# Altium PCB PROC010B_PCB.PcbDoc (part 4 of 6) (continued)
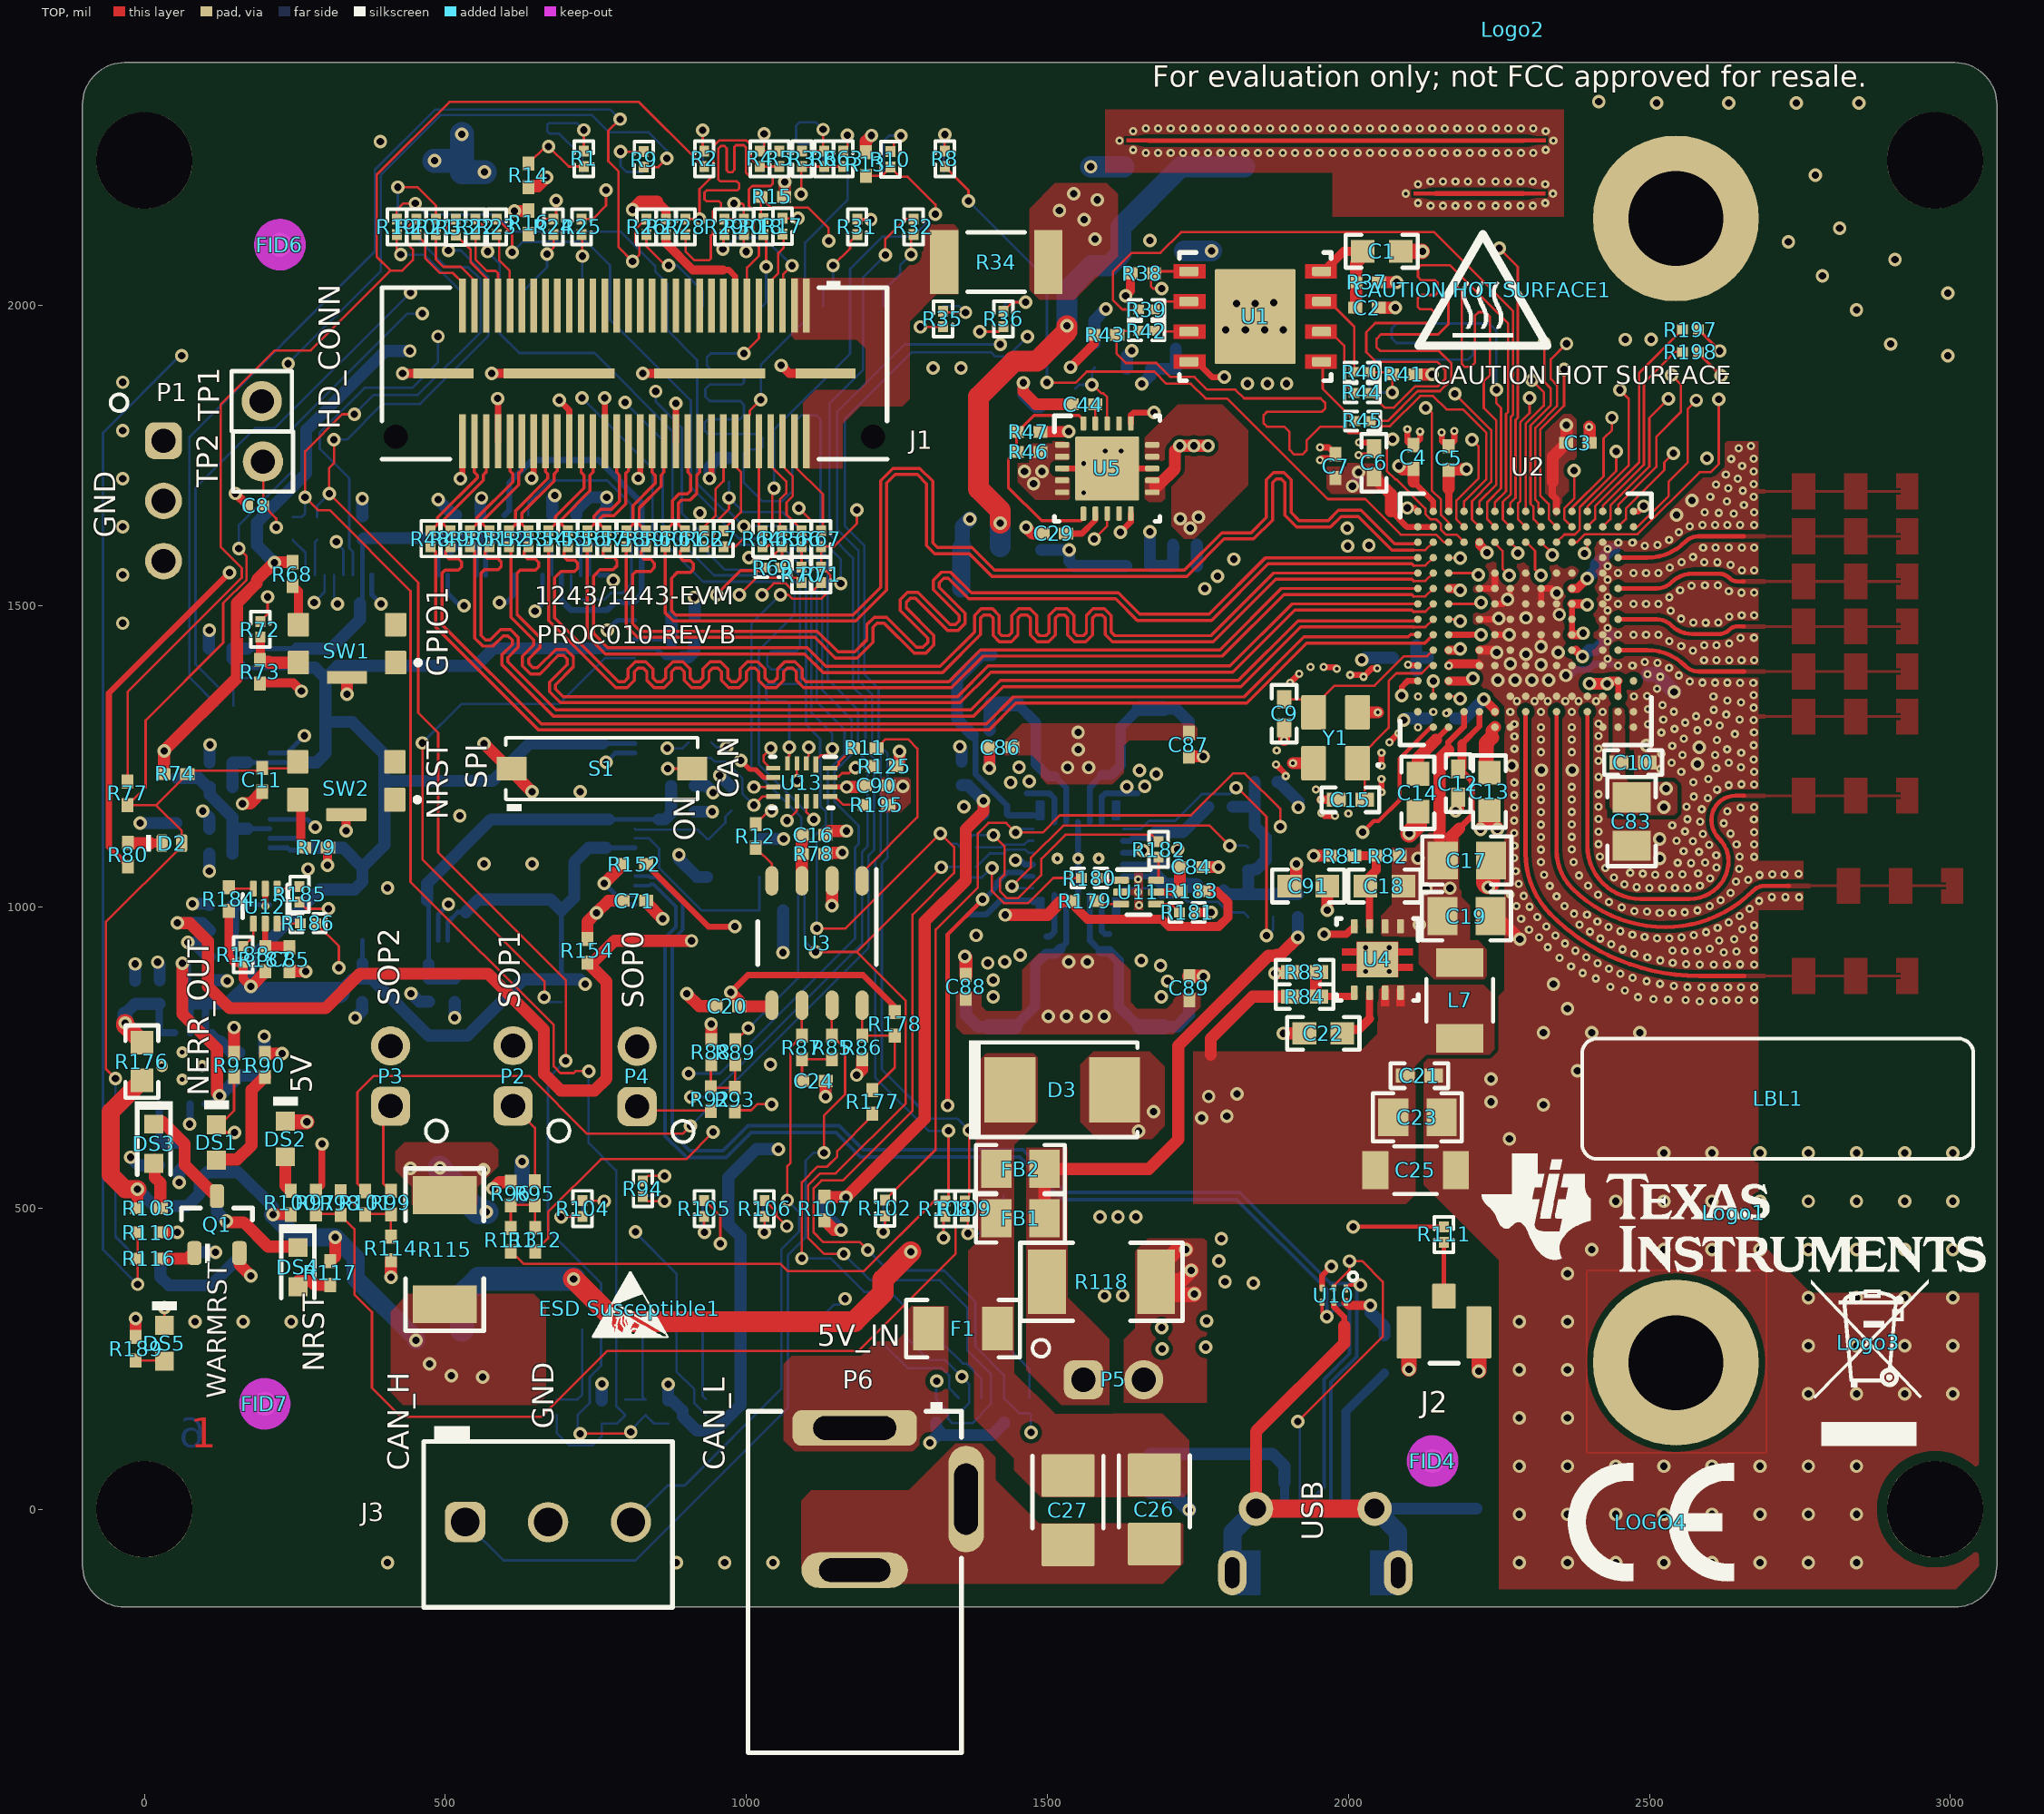
[diagram p0: TOP view]
## Nets (pads, with @x,y where several pads share a name; then routed paths per layer and width w, separated by ;. In a path a pad name is that pad's centre, name@x,y a point inside that pad or via, vN(x,y) a via of type N, cw(c..) or ccw(c..) an arc to the next point about the centre after c; other vN are vias at no path point) (continued)
  other v3: 62.83,713.68 29,736 96,736 62.83,758.96 1516.75,1080.5 1585.26,1080.5
  other v4: 2028.49,893.24 2067.86,893.24 2028.49,932.61 2067.86,932.61
  other v5: 1560.41,1688.18 1560.41,1736.5 1622.39,1757.57
  other v6: 1596.03,1757.57
HD_LVDS_VALID_N: J1.22 R60.1 | length 176
  TOP w5.2: R60.1@865.55,1624.71 877,1636.16 877,1675.03 888.17,1686.2 902.17,1686.2 907.37,1691.4 907.37,1717.31 902.63,1722.05 J1.22@902.63,1773.27
HD_LVDS_VALID_P: J1.20 R61.1 | length 175.7
  TOP w5.2: R61.1@897.75,1624.71 887.2,1635.26 887.2,1670.8 892.4,1676 906.4,1676 917.57,1687.17 917.57,1717.31 922.32,1722.06 J1.20@922.32,1773.27
HD_LVDSCSI0_N: J1.58 R48.1 | length 182.6
  TOP w5.2: R48.1@475.61,1624.71 486.83,1635.93 486.83,1646.76 553,1712.93 553,1717.35 548.3,1722.05 J1.58@548.3,1773.27
HD_LVDSCSI0_P: J1.56 R49.1 | length 182.6
  TOP w5.2: R49.1@508.25,1624.71 497.03,1635.93 497.03,1642.53 563.2,1708.7 563.2,1717.88 567.99,1722.67 J1.56@567.99,1773.27
HD_LVDSCSI1_N: J1.52 R50.1 | length 179.8
  TOP w5.2: R50.1@540.75,1624.71 551.9,1635.86 551.9,1645.84 611.8,1705.74 611.8,1719.71 607.36,1724.15 J1.52@607.36,1773.27
HD_LVDSCSI1_P: J1.50 R51.1 | length 180.1
  TOP w5.2: R51.1@573.25,1624.71 562.1,1635.86 562.1,1641.61 622,1701.51 622,1720.51 627.04,1725.55 J1.50@627.04,1773.27
HD_LVDSCSI2_N: J1.40 R54.1 | length 174.9
  TOP w5.2: R54.1@671.35,1624.71 683,1636.37 683,1648.5 730.21,1695.71 730.21,1717.31 725.47,1722.05 J1.40@725.47,1773.27
HD_LVDSCSI2_P: J1.38 R55.1 | length 174.5
  TOP w5.2: R55.1@703.85,1624.71 693.2,1635.36 693.2,1644.27 740.41,1691.48 740.41,1717.31 745.15,1722.05 J1.38@745.15,1773.27
HD_LVDSCSI3_N: J1.34 R56.1 | length 183.2
  TOP w5.2: R56.1@735.75,1624.71 746.8,1635.76 746.8,1649.32 757.98,1660.5 776,1660.5 789.26,1673.76 789.26,1717.31 784.52,1722.05 J1.34@784.52,1773.27
HD_LVDSCSI3_P: J1.32 R57.1 | length 183.2
  TOP w5.2: R57.1@768.05,1624.71 757,1635.76 757,1645.09 762.21,1650.3 780.23,1650.3 799.46,1669.53 799.46,1717.31 799.81,1717.66 799.81,1720.51 804.21,1724.91 J1.32@804.21,1773.27
HD_LVDSCSI_CLK_N: J1.46 R52.1 | length 176.9
  TOP w5.2: R52.1@605.75,1624.71 616.9,1635.86 616.9,1658.4 670.32,1711.82 670.32,1719.18 666.41,1723.09 J1.46@666.41,1773.27
HD_LVDSCSI_CLK_P: J1.44 R53.1 | length 177.6
  TOP w5.2: R53.1@638.25,1624.71 627.1,1635.86 627.1,1654.17 680.52,1707.59 680.52,1719.01 686.1,1724.59 J1.44@686.1,1773.27
HD_LVDSCSI_FRCLK_N: J1.28 R58.1 | length 170.3
  TOP w5.2: R58.1@800.55,1624.71 811.7,1635.86 811.7,1666.63 848.32,1703.25 848.32,1717.31 843.58,1722.05 J1.28@843.58,1773.27
HD_LVDSCSI_FRCLK_P: J1.26 R59.1 | length 170.3
  TOP w5.2: R59.1@833.05,1624.71 821.9,1635.86 821.9,1662.4 858.52,1699.02 858.52,1717.31 863.26,1722.05 J1.26@863.26,1773.27
LDO_01_EN: R83.2 R84.1 U4.5 | length 104.6
  TOP w12: R84.1@1946.93,851.9 U4.5@2009.79,851.9
  TOP w20: R83.2@1946.25,892.02 1946.25,851.22 R84.1@1946.93,851.9
LDO_02_EN: R46.2 R47.1 U5.6 U5.20 | length 386.1
  TOP w5: U5.6@1559.98,1653.52 1559.98,1645.37 1556.25,1641.64 1490.41,1641.64 1435.14,1696.91 1435.14,1742.4 R46.2@1448.85,1756.11 1448.85,1787.67 1477.9,1816.72 1552.28,1816.72 1559.98,1809.02 U5.20@1559.98,1803.12
MCU_3V3: J4.3 J5.1 R130.1 | length 3152.4
  TOP w35: v1(713,382.5) 784,311.5 1179.5,311.5 1226.86,358.87 1226.86,381.36 v1(1273,427.5) ; v1(1421.81,1637.69) 1421.81,1658.16 1385.62,1694.36 1385.62,1847.63 1444.49,1906.5 1482.75,1906.5 1532.51,1956.26 v1(1532.51,1965.39)
  L4 w35: v1(1273,427.5) 1273,1120.39 1216.53,1176.86 1216.53,1432.41 v1(1421.81,1637.69)
  BOTTOM w35: R130.1@1421.81,1598.71 v1(1421.81,1637.69) ; v1(1532.51,1965.39) 1532.51,2023.9 1573.69,2065.07 1602.85,2065.07 1622.17,2084.39 1622.17,2129.42 1722.23,2229.48 J4.3@1827.5,2229.48
  BOTTOM w40: J5.1@527.5,298.28 527.5,354.21 555.79,382.5 v1(713,382.5)
MCU_5V: J5.2 J7.3 R115.1 | length 113.2
  BOTTOM w40: v1(491,567) 491,565 527.5,528.5 J5.2@527.5,520.72 554.72,493.5 v1(568,493.5)
  other v1: 1842,375.5 1795,377.5 1785,412.5 1789,449.5 563.35,563.88 442,566
MCU_SOP0: R36.1 R93.2 | length 1827.4
  TOP w4: R93.2@981.12,662.25 981.37,662.5 1008.07,662.5 1018.07,672.5 v1(1042,672.5) ; v1(1388,1955.5) 1419.02,1955.5 R36.1@1427.25,1963.73
  L4 w4: v1(1042,672.5) 1014.76,672.5 833.27,853.99 833.27,1266 900.06,1332.79 986.37,1332.79 1136.19,1482.61 1136.19,1545.85 1170.68,1580.34 1233.92,1580.34 1408.36,1754.78 1408.36,1905.15 1388,1925.51 v1(1388,1955.5)
MCU_SOP1: R35.1 R112.2 | length 2227.8
  TOP w4: R112.2@649.32,428.65 670.8,450.13 670.8,493.87 758.43,581.5 900,581.5 v1(945,626.5) ; v1(1289.22,1963.5) 1292,1963.5 1292,1963.73 R35.1@1326.75,1963.73
  L4 w4: v1(945,626.5) 945,716.46 816,845.47 816,1274.25 893.21,1351.46 985.52,1351.46 1119.57,1485.51 1119.57,1548.37 1172.95,1601.74 1235.8,1601.74 1392.87,1758.81 1392.87,1900.12 1329.49,1963.5 v1(1289.22,1963.5)
MCU_SOP2: R32.1 R101.2 | length 2508.4
  TOP w4: R101.2@366.98,527.75 354,540.73 354,692.56 380.94,719.5 639.5,719.5 735.44,623.56 894.06,623.56 v1(907,636.5) ; v1(1230.88,2082.91) 1230.88,2109.43 1264.17,2142.71 R32.1@1277.55,2142.71
  BOTTOM w4: v1(907,636.5) 1203.06,932.56 1203.06,1086.07 1212.27,1095.28 1212.27,1246.27 1197.8,1260.74 1197.8,1344.98 1177.01,1365.77 1177.01,1579.55 1138.11,1618.45 1138.11,1836.5 1194,1892.39 1194,2046.03 v1(1230.88,2082.91)
MISO1: R3.2 R6.2 R63.2 U13.1 | length 2110.7
  TOP w4: v1(1091.14,2184) 1091.14,2228.49 R3.2@1092.38,2229.73 R6.2@1129,2229.73 R63.2@1161.25,2229.73 ; U13.1@1115.48,1236.74 1115.48,1244.11 1123.45,1252.09 1132.13,1252.09 v1(1142.7,1262.66)
  L4 w4: v1(849.41,1856.45) 862.04,1869.07 1119.61,1869.07 1132.48,1881.93 1132.48,1926.55 1119.53,1939.5 847.66,1939.5 838.72,1948.44 838.72,1973.28 853.87,1988.44 1122.42,1988.44 1132.73,1998.74 1132.73,2027.07 1111.24,2048.56 1111.24,2163.9 v1(1091.14,2184)
  BOTTOM w4: v1(849.41,1856.45) 849.41,1839.21 892.76,1795.86 892.76,1653.82 944.64,1601.94 1055.82,1601.94 1108.12,1549.65 1108.12,1322.45 1142.7,1287.87 v1(1142.7,1262.66)
MOSI1: R4.2 R5.2 R28.1 U13.4 | length 1674
  TOP w4: R28.1@899.11,2142.71 v1(922.14,2142.71) 922.14,2192.44 945.32,2215.62 945.32,2263.64 954.97,2273.3 999.97,2273.3 1007.28,2265.99 1007.28,2243.76 1021.31,2229.73 R4.2@1022.55,2229.73 R5.2@1054.91,2229.73 ; U13.4@1068.23,1238.71 1068.23,1247.88 1071.32,1250.96 v1(1071.32,1265.52)
  L4 w4: v1(798.81,1837.82) 773.47,1863.16 773.47,1982.23 842.5,2051.26 842.5,2099.35 885.87,2142.71 v1(922.14,2142.71)
  BOTTOM w4: v1(798.81,1837.82) 861.02,1775.61 861.02,1636.32 946.32,1551.02 1070.11,1551.02 1088.84,1532.29 1088.84,1431 1082.36,1424.52 1040.85,1424.52 1034.78,1418.45 1034.78,1400.99 1041.07,1394.69 1088.48,1394.69 1090.12,1393.06 1090.12,1372.79 1088.06,1370.72 1036.97,1370.72 1032.95,1366.7 1032.95,1345.67 1037.05,1341.57 1067.16,1341.57 1071.32,1337.41 v1(1071.32,1265.52)
NetC1_2: C1.2 C2.2 R37.2 U1.8 | length 181.5
  TOP w15: U1.8@1957.43,2055.68 1959.01,2055.68 1992.32,2088.99 C1.2@2023.97,2088.99
  TOP w20: R37.2@2011.24,2037.7 R37.2@2012.81,2039.27 ; C2.2@2011.48,1995.26 2012.81,1996.59 R37.2@2012.81,2039.27 ; C1.2@2023.97,2088.99 2023.97,2080.44 2012.81,2069.28 R37.2@2012.81,2039.27
NetC16_2: C16.2 R78.1 U3.3 | length 73.3
  TOP w20: U3.3@1092.01,1043.91 C16.2@1092.01,1117.17
NetC18_2: C18.2 R81.2 R82.1 U4.3 | length 165.1
  TOP w12: C18.2@2028.37,1034.87 2035.38,1027.86 U4.3@2035.38,968.04
  TOP w15: R81.2@2008.79,1085.17 2046.37,1085.17 2046.41,1085.13 2046.41,1061.41 2028.37,1043.37 C18.2@2028.37,1034.87
NetC22_1: C22.1 U4.6 | length 96.1
  TOP w12: 2035.38,814.78 U4.6@2035.38,857.8
  TOP w15: C22.1@1989.97,796.17 1990.2,796.4 2017,796.4 2035.38,814.78
NetC24_2: C24.2 R85.1 R87.2 | length 86
  TOP w4: C24.2@1092.37,711.14 R87.2@1092.37,747.12 R85.1@1142.37,747.12
NetC26_1: C26.1 C27.1 D3.1 F1.1 FB1.1 FB2.1
NetC28_1: C28.1 R121.2 R122.1 U5.10 | length 406
  TOP w10: v1(1621.29,1622.33) 1638.72,1639.76 U5.10@1638.72,1653.52
  L4 w10: v1(1621.29,1622.33) 1653.08,1654.13 1653.08,1843.16 1656.89,1846.97 v1(1656.89,1868.87)
  BOTTOM w20: v1(1656.89,1868.87) 1671.7,1883.68 R121.2@1671.7,1893.62 R122.1@1713.14,1893.62 C28.1@1713.14,1927.64
NetC29_2: C29.2 U5.7 | length 68.8
  TOP w10: C29.2@1531.03,1620.25 1557.33,1620.25 1579.66,1642.59 U5.7@1579.66,1653.52
NetC44_2: C44.2 U5.19 | length 31.8
  TOP w4: U5.19@1579.66,1803.12 C44.2@1579.66,1834.93
NetC46_1: C46.1 R131.1 R132.2 U5.16 | length 391.6
  TOP w10: U5.16@1638.72,1803.12 1638.72,1816.88 1643.02,1821.18 v1(1677.15,1821.18)
  L4 w10: v1(1670.47,1623.26) 1683.83,1636.62 1683.83,1792.62 1677.15,1799.3 v1(1677.15,1821.18)
  BOTTOM w20: v1(1670.47,1623.26) R132.2@1670.47,1566.52 C46.1@1708.82,1566.52 R131.1@1708.82,1596.78 ; R131.1@1708.82,1601.78 R131.1@1708.82,1596.78 ; R131.1@1709.84,1596.78 R131.1@1708.82,1596.78
NetC71_2: C71.2 R154.1 U6.96 | length 171.8
  TOP w20: R154.1@736,946.4 736,975.5 v1(751,990.5) 771,1010.5 C71.2@794.7,1010.5
  BOTTOM w8: v1(751,990.5) 764.45,1003.95 U6.96@814.94,1003.95
NetC78_1: C78.1 R156.1 R157.2 U9.5 | length 394
  TOP w20: v1(63,906.5) 63,822.5 120.71,764.79 120.71,690.79 v1(125,686.5)
  BOTTOM w12: U9.5@101.22,673.32 111.82,673.32 v1(125,686.5)
  BOTTOM w20: v1(63,906.5) 64,906.5 67.1,903.4 C78.1@67.1,878.84 C78.1@67.1,878.45 ; v1(125,686.5) R156.1@158.03,719.51 158.03,720.29 198.86,720.29 R157.2@199.2,719.95
NetC79_2: C79.2 C80.2 R176.1 U9.1 U9.2 | length 197.5
  TOP w30: v1(-32,807.5) -32,803.5 -4,775.5 R176.1@-4,775
  BOTTOM w12: C79.2@24.44,838.37 U9.1@24.45,791.44 U9.2@50.04,791.44
  BOTTOM w15: C79.2@24.44,838.37 25.27,839.2 C79.2@25.62,839.55
  BOTTOM w20: -32,822.6 -15.4,839.2 C79.2@25.27,839.2
  BOTTOM w25: v1(-32,807.5) -32,822.6
NetC84_2: C84.2 R183.1 U11.5 | length 81.1
  TOP w12: U11.5@1680.59,1024.75 1718.82,1024.75 R183.1@1720.75,1026.68
  TOP w20: C84.2@1720.05,1066.5 1720.05,1027.38 R183.1@1720.75,1026.68
NetC85_1: C85.1 R187.1 U12.5 | length 80.4
  TOP w10: R187.1@200.81,930.06 R187.1@200.81,932.42 ; U12.5@200.81,970.05 R187.1@200.81,932.42 ; R187.1@200.98,932.25 R187.1@200.81,932.42
  TOP w20: R187.1@200.98,933.03 C85.1@241.11,933.03
NetC86_2: C86.2 R190.1 | length 59.3
  TOP w19: C86.2@1402.01,1265.35 1403.85,1263.51 v1(1403.85,1230.46)
  BOTTOM w20: v1(1403.85,1230.46) R190.1@1403.85,1254.06
NetC87_2: C87.2 R191.1 | length 48.8
  TOP w19.68: C87.2@1735,1249.96 v1(1758.87,1249.97)
  BOTTOM w19.68: R191.1@1734.8,1247.97 1736.8,1249.97 v1(1758.87,1249.97)
NetC88_2: C88.2 R192.1 | length 64.3
  TOP w22: v1(1363,918) 1364.7,916.3 C88.2@1364.7,886.95
  BOTTOM w22: v1(1363,918) 1364.9,916.1 R192.1@1364.9,886.25
NetC89_2: C89.2 R193.1 | length 48.5
  TOP w22: C89.2@1735.22,885.04 v1(1759.28,885.04)
  BOTTOM w19.68: R193.1@1734.82,885.04 v1(1759.28,885.04)
NetD2_1: D2.1 R80.2 | length 56.8
  TOP w15: 10.07,1106.06 D2.1@29.57,1106.06
  TOP w20: R80.2@-27.25,1106.06 10.07,1106.06
NetDS1_1: DS1.1 R90.1 | length 191.9
  TOP w20: DS1.1@119.71,580.63 154.13,580.63 178,604.5 178,696.43 R90.1@200.46,718.89
NetDS2_1: DS2.1 R100.1 | length 56
  TOP w20: DS2.1@234.35,581.16 234.35,537.3 R100.1@242.91,528.74
NetDS3_1: DS3.1 R103.1 | length 84.2
  TOP w20: DS3.1@17.03,580.31 17.03,551.47 26.47,542.03 R103.1@26.47,500.07
NetDS3_2: DS3.2 Q1.3 | length 175.9
  TOP w20: DS3.2@17.03,643.31 30.19,643.31 67,606.5 67,571.61 Q1.3@120.58,518.03
NetDS4_1: DS4.1 R117.1 | length 55.7
  TOP w20: DS4.1@255.6,378.87 277.31,378.87 283.72,372.47 R117.1@308.61,372.47
NetDS4_2: DS4.2 Q2.3 | length 183.7
  TOP w20: v1@136,476.5 164.99,476.5 205.53,435.96 DS4.2@255.6,435.96
  BOTTOM w20: Q2.3@120.62,519.41 120.62,493.84 v1(136,478.46)
NetDS5_1: DS5.1 R189.1 | length 47.8
  TOP w4: R189.1@-14.4,247.04 DS5.1@33.45,247.04
NetF1_2: F1.2 P6.1
NetJ1_1: J1.1 J1.2 J1.3 R34.1
NetJ1_4: J1.4 R67.1 | length 169.2
  TOP w4: J1.4@1079.8,1773.27 1079.8,1732.79 1127,1685.59 1127,1627.46 R67.1@1124.25,1624.71
NetJ1_5: J1.5 R29.2 | length 242.4
  TOP w4: v1(961,2092.7) 961,2091.5 962,2091.5 962,2114.9 R29.2@963.83,2116.73 ; J1.5@1060.11,1999.06 1060.95,1999.89 1060.95,2050.59 v1(1075.61,2065.26)
  BOTTOM w4: v1(961,2092.7) 963.2,2092.7 982,2111.5 1029.38,2111.5 v1(1075.61,2065.26)
NetJ1_6: J1.6 R66.1 | length 170.3
  TOP w4: J1.6@1060.11,1773.27 1060.11,1732.53 1077.2,1715.44 1077.2,1682.58 1066.8,1672.18 1066.8,1651.69 1091.75,1626.74 R66.1@1091.75,1624.71
NetJ1_7: J1.7 R17.2 | length 128.4
  TOP w4: J1.7@1040.43,1999.06 1040.43,2040.3 1052.95,2052.82 1052.95,2085.94 1062.09,2095.09 1062.09,2115.88 R17.2@1060.25,2117.73
NetJ1_8: J1.8 R65.1 | length 165
  TOP w4: J1.8@1040.43,1773.27 1040.43,1732.78 1066.2,1707.01 1066.2,1687.13 1055.8,1676.73 1055.8,1628.16 R65.1@1059.25,1624.71
NetJ1_9: J1.9 R75.2 | length 1738.7
  TOP w4: v1(996,1919.5) 1020.74,1944.24 J1.9@1020.74,1999.25
  L4 w4: v1(868.61,1263.6) 918.85,1313.84 1000.19,1313.84 1156.91,1470.56 v1(1156.91,1537.49)
  BOTTOM w4: v1(868.61,1263.6) 894.2,1263.6 R75.2@904.07,1273.47 ; v1@996,1915.83 v1(996,1919.5) 940.68,1919.5 934.68,1913.5 934.68,1898.77 941.74,1891.71 989.38,1891.71 996,1885.09 996,1871.47 992.15,1867.62 938.92,1867.62 931.82,1860.53 931.82,1847.48 939.11,1840.19 990.13,1840.19 996,1834.32 996,1816.97 989.11,1810.08 936.72,1810.08 930.64,1804 930.64,1791.67 936.41,1785.9 1019.92,1785.9 1026.66,1779.16 1026.66,1764.48 1021.96,1759.77 1001.52,1759.77 995.57,1753.83 995.57,1705.34 1026.86,1674.05 1059.61,1674.05 1076.47,1690.91 1076.47,1801.48 1091.61,1816.61 1116.68,1816.61 1123.37,1809.92 1123.37,1610.66 1156.91,1577.12 v1(1156.91,1537.49)
NetJ1_10: J1.10 R64.1 | length 151
  TOP w4: J1.10@1020.74,1773.27 1020.74,1630.58 R64.1@1026.61,1624.71
NetJ1_11: J1.11 R28.2 | length 860.2
  TOP w4: R28.2@899.11,2116.73 899.11,2088.93 913.83,2074.21 938.09,2074.21 941.03,2077.15 941.03,2114.93 944.66,2118.56 944.66,2156.01 947.43,2158.77 955.82,2158.77 958.11,2161.06 958.11,2168.58 954.7,2171.99 933.94,2171.99 930.49,2175.44 930.49,2186.53 933.99,2190.03 984.74,2190.03 988.19,2193.48 988.19,2200.94 983.84,2205.29 956.7,2205.29 953.32,2208.67 953.32,2259.3 957.93,2263.91 963.56,2263.91 967.29,2260.18 967.29,2223.67 970.61,2220.36 976.06,2220.36 980.15,2224.45 980.15,2262.52 982.93,2265.3 995.63,2265.3 999.28,2261.65 999.28,2219.77 1005.6,2213.45 1041.87,2213.45 1043.72,2211.61 1043.72,2201.03 1040.23,2197.54 1009.55,2197.54 1004.18,2192.17 1004.18,2164.48 1012.11,2156.55 1012.11,2105.06 1020.91,2096.27 1020.91,2081.65 1001.06,2061.8 J1.11@1001.06,1999.06
NetJ1_12: J1.12 R63.1 | length 606
  TOP w4: J1.12@1001.08,1773.43 1001.08,1813.44 1005.86,1818.22 1005.86,1824.49 v1(1024.02,1842.66) ; R63.1@1161.27,2255.87 1168.02,2262.62 v1(1168.02,2281.66)
  BOTTOM w4: v1(1024.02,1842.66) 1024.02,1900.87 1097.38,1974.23 1097.38,2103.43 1168.02,2174.07 v1(1168.02,2281.66)
NetJ1_13: J1.13 R27.2 | length 200.2
  TOP w10: 961.63,2058 971,2058 981.37,2047.63 J1.13@981.37,1999.25
  TOP w15: R27.2@866.61,2116.73 866.61,2102.26 910.87,2058 961.63,2058
NetJ1_14: J1.14 R7.1 | length 164.4
  TOP w4: R7.1@962.11,1624.9 962.11,1626.9 990.89,1655.68 990.89,1722.39 981.37,1731.92 J1.14@981.37,1773.46
NetJ1_16: J1.16 R62.1 | length 162
  TOP w4: R62.1@929.85,1624.71 929.85,1631.34 949,1650.49 949,1694.5 962,1707.5 962,1772.96 J1.16@961.69,1773.27
NetJ1_51: J1.51 R23.2 | length 126.5
  TOP w4: R23.2@585.61,2116.73 589.2,2113.14 589.2,2074.3 607,2056.5 607,1999.61 J1.51@607.36,1999.25
NetJ1_53: J1.53 R22.2 | length 141.6
  TOP w4: R22.2@550.11,2116.73 550.11,2075.38 568.99,2056.5 583.67,2056.5 587.67,2052.5 J1.53@587.67,1999.25
NetJ1_55: J1.55 R33.2 | length 138
  TOP w4: R33.2@517.39,2116.29 542,2091.68 542,2070.5 567.99,2044.51 J1.55@567.99,1999.25
NetJ1_57: J1.57 R21.2 | length 161.4
  TOP w4: R21.2@484.35,2116.73 484.35,2075.36 496.36,2063.35 525.81,2063.35 548.3,2040.86 J1.57@548.3,1999.06
NetJ1_59: J1.59 R20.2 | length 162.1
  TOP w4: R20.2@452.11,2116.73 466.46,2102.38 466.46,2077.51 490.86,2053.11 512.6,2053.11 528.62,2037.1 J1.59@528.62,1999.06
NetJ2_1: J2.1 R111.2 | length 89.3
  TOP w7.08: J2.1@2158.71,353.76 R111.2@2158.71,443.03
NetJ3_1: J3.1 R85.2 U3.7 | length 1393.2
  TOP w4: v1(1129,592) 1129,654.01 1163.94,688.95 1163.94,764.77 1142.01,786.7 U3.7@1142.01,835.25
  BOTTOM w4: J3.1@532.8,-21.34 596.43,-84.97 815.88,-84.97 1069,168.15 1069,422.21 1098.42,451.63 1098.42,579.01 1111.41,592 v1(1129,592)
NetJ3_3: J3.3 R87.1 U3.6 | length 1006.8
  TOP w4: v1(1068,513) 1068,570 1073.27,575.27 1073.27,767.39 1092.01,786.13 U3.6@1092.01,835.25
  BOTTOM w4: J3.3@808.39,-21.34 869.19,39.46 897.63,39.46 1058,199.83 1058,431.43 1087.42,460.85 1087.42,493.58 v1(1068,513)
NetJ5_5: J5.5 R168.2 R169.2 | length 153.8
  BOTTOM w4: R169.2@685.13,182.27 R168.2@719.63,182.27 727.5,190.14 J5.5@727.5,298.28
NetJ5_6: J5.6 R104.1 | length 103.1
  TOP w4: v1(692.2,485.5) 699,485.5 699,486.29 R104.1@727.75,486.29
  BOTTOM w4: v1(692.2,485.5) 721.01,485.5 727.5,491.99 J5.6@727.5,520.72
NetJ5_7: J5.7 R166.2 R167.2 | length 151.3
  BOTTOM w4: R167.2@799.13,182.27 R166.2@831.5,182.27 ; J5.7@827.5,298.28 827.5,186.27 R166.2@831.5,182.27 ; R166.2@832.75,182.27 R166.2@831.5,182.27
NetJ5_8: J5.8 R94.1 | length 79.3
  TOP w4: R94.1@828.25,519.29 836.04,511.5 v1(864,511.5)
  BOTTOM w4: J5.8@827.5,520.72 854.78,520.72 v1(864,511.5)
NetJ5_9: J5.9 R165.2 | length 117.7
  BOTTOM w4: J5.9@927.5,298.28 927.5,187.96 R165.2@932.75,182.71
NetJ5_10: J5.10 R105.1 | length 89.3
  TOP w4: R105.1@929.75,486.29 929.75,460.64 v1(930.68,459.71)
  BOTTOM w4: J5.10@927.5,520.72 927.5,462.89 v1(930.68,459.71)
NetJ5_12: J5.12 R106.1 | length 89
  TOP w4: v1(1030,460) 1030.25,460.25 R106.1@1030.25,486.29
  BOTTOM w4: J5.12@1027.5,520.72 1027.5,487 1031,483.5 1031,461 v1(1030,460)
NetJ5_13: J5.13 R76.2 | length 1404.2
  L4 w5: v1(967.07,1265.25) 952.42,1265.25 909.75,1222.58 909.75,1118.82 930.53,1098.04 930.53,845.41 911.43,826.31 911.43,801.43 1017.38,695.49 1049.22,695.49 1068.06,676.65 1068.06,658.84 996.77,587.55 996.77,357.08 1004.35,349.5 1033.15,349.5 1043.17,359.52 1043.17,385.54 1047.58,389.95 1069.75,389.95 1075.9,383.79 1075.9,358.4 1084.81,349.5 v1(1164,349.5)
  BOTTOM w4: R76.2@941.93,1273.47 950.15,1265.25 v1(967.07,1265.25) ; J5.13@1127.5,298.28 1127.5,322.04 1144.91,339.45 1153.95,339.45 v1(1164,349.5)
NetJ5_14: J5.14 R107.1 | length 104.2
  TOP w20: R107.1@1129.75,480.38 R107.1@1129.75,479.59 1145.51,463.83 v1(1157.35,463.83)
  BOTTOM w20: J5.14@1127.5,520.72 1127.5,493.69 v1(1157.35,463.83)
NetJ5_15: J5.15 R164.2 | length 198.6
  BOTTOM w4: J5.15@1227.5,298.28 1227.5,274.7 1267.77,234.43 1324.34,234.43 1337.16,221.61 1337.16,200.3 R164.2@1352.75,184.71
NetJ5_16: J5.16 R102.1 | length 88.1
  TOP w4: v1(1227.5,460.5) 1230.25,463.25 R102.1@1230.25,487.29
  BOTTOM w4: v1(1227.5,460.5) J5.16@1227.5,520.72
NetJ5_17: J5.17 R163.2 | length 143.2
  BOTTOM w4: J5.17@1327.5,298.28 1327.5,274.03 1359.72,241.8 1365.87,241.8 1390.25,217.42 R163.2@1390.25,184.71
NetJ5_18: J5.18 R108.1 | length 106
  TOP w4: v1(1327.5,451) 1327.5,483.24 R108.1@1330.35,486.09
  BOTTOM w4: v1(1327.5,451) J5.18@1327.5,520.72
NetJ5_19: J5.19 R162.2 | length 130.7
  BOTTOM w4: J5.19@1427.5,298.28 1427.5,275.6 1470.25,232.85 R162.2@1470.25,185.27
NetJ5_20: J5.20 R109.1 | length 129.3
  TOP w4: R109.1@1362.85,486.09 1368,480.94 v1(1368,458)
  BOTTOM w4: v1(1368,458) 1388,458 1427.5,497.5 J5.20@1427.5,520.72
NetJ6_1: J6.1 R19.2 | length 186.1
  TOP w4: R19.2@419.25,2116.73 419.25,2090.25 v1(426,2083.5)
  BOTTOM w4: v1(426,2083.5) 465,2083.5 527.5,2021 J6.1@527.5,1998.28
NetJ6_3: J6.3 R24.2 | length 140.1
  TOP w4: v1(669,2084.5) 679.75,2095.25 R24.2@679.75,2116.73
  BOTTOM w4: J6.3@627.5,1998.28 627.5,2021.01 669,2062.51 v1(669,2084.5)
NetJ6_5: J6.5 R25.2 | length 119
  TOP w4: R25.2@726.25,2116.73 727.5,2115.48 v1(727.5,2081)
  BOTTOM w4: J6.5@727.5,1998.28 v1(727.5,2081)
NetJ6_8: J6.8 R9.1 | length 103.4
  TOP w4: v1(791,2254.5) 829.54,2254.5 R9.1@829.75,2254.71
  BOTTOM w4: v1(791,2254.5) 791,2230.5 800.78,2220.72 J6.8@827.5,2220.72
NetJ6_9: J6.9 R26.2 | length 170.8
  TOP w4: R26.2@834.11,2116.73 834,2116.62 834,2097.16 868.33,2062.83 v1(871,2065.5)
  BOTTOM w4: v1(871,2065.5) 885,2065.5 927.5,2023 J6.9@927.5,1998.28
NetJ6_10: J6.10 R2.1 | length 104.6
  TOP w4: v1(927.5,2290) 927.5,2258.26 R2.1@930.05,2255.71
  BOTTOM w4: J6.10@927.5,2220.72 v1(927.5,2290)
NetJ6_11: J6.11 R18.2 | length 123.1
  TOP w4: R18.2@1028.21,2117.08 1033,2112.29 v1(1033,2063.5)
  BOTTOM w4: J6.11@1027.5,1998.28 1033,2003.78 v1(1033,2063.5)
NetJ6_12: J6.12 R4.1 R5.1 | length 127.6
  TOP w4: v1(1029.55,2283.95) 1029.55,2262.71 R4.1@1022.55,2255.71 R5.1@1054.91,2255.71
  BOTTOM w4: J6.12@1027.5,2220.72 1027.5,2281.9 v1(1029.55,2283.95)
NetJ6_13: J6.13 R31.2 | length 141.8
  TOP w4: v1(1144,2065.5) 1172.22,2093.72 1172.22,2104.9 R31.2@1184,2116.68
  BOTTOM w4: J6.13@1127.5,1998.28 1127.5,2024.01 1144,2040.51 v1(1144,2065.5)
NetJ6_14: J6.14 R3.1 R6.1 | length 230.7
  TOP w4: R3.1@1092.38,2255.71 R6.1@1129,2255.71 1127.41,2257.31 v1(1127.41,2291.34)
  BOTTOM w4: v1(1127.41,2291.34) 1115.57,2303.18 1088.1,2303.18 1082.52,2297.6 1082.52,2272.02 1087.06,2267.48 1104.36,2267.48 1127.5,2244.34 J6.14@1127.5,2220.72
NetJ6_15: J6.15 R32.2 | length 139.2
  TOP w4: v1(1273.57,2083.91) 1273.57,2112.75 R32.2@1277.55,2116.73
  BOTTOM w4: J6.15@1227.5,1998.28 1227.5,2023 1255.37,2050.87 1255.37,2065.71 v1(1273.57,2083.91)
NetJ6_16: J6.16 R10.1 | length 117.2
  TOP w4: R10.1@1239.25,2254.71 1244.82,2260.29 1244.82,2269.29 v1(1256.52,2280.98)
  BOTTOM w4: J6.16@1227.5,2220.72 1227.5,2271.53 1236.95,2280.98 v1(1256.52,2280.98)
NetJ6_17: J6.17 R35.2 | length 79.1
  TOP w4: R35.2@1326.75,1989.71 1328.96,1987.5 v1(1364,1987.5)
  BOTTOM w4: J6.17@1327.5,1998.28 1353.22,1998.28 v1(1364,1987.5)
NetJ6_18: J6.18 R8.1 | length 90.3
  TOP w4: R8.1@1329.55,2255.71 v1(1329.55,2282.95)
  BOTTOM w4: J6.18@1327.5,2220.72 1327.5,2280.9 v1(1329.55,2282.95)
NetJ6_19: J6.19 R36.2 | length 82
  TOP w4: R36.2@1427.25,1989.71 1442.04,2004.5 v1(1464,2004.5)
  BOTTOM w4: J6.19@1427.5,1998.28 1433.72,2004.5 v1(1464,2004.5)
NetJ8_1: J8.1 R161.1 | length 251.7
  BOTTOM w10: J8.1@1996,1.06 J8.1@1996.19,0.88
  BOTTOM w15: J8.1@1996,1.06 1996,162 R161.1@2060,226
NetJ8_5: J8.5 R175.2 | length 302.5
  BOTTOM w15: J8.5@1893.64,0.7 J8.5@1893.82,0.88 1893.82,43.82
  BOTTOM w20: R175.2@1670.82,91.82 1873.82,91.82 1893.82,71.82 1893.82,43.82
NetJ8_6: J8.6 J8.9 J8.10 J8.11 R174.2 U10.5 | length 1021.6
  TOP w10: U10.5@1976,343.69 1976,336.07 1993.21,318.86 1993.21,304.71
  TOP w20: J8.10@1846.58,0.88 1846.57,129.07 1993.21,275.71 1993.21,304.71
  TOP w30: J8.10@1846.58,0.88 J8.11@2043.43,0.88
  BOTTOM w20: J8.11@2043.43,0.88 R174.2@2212.31,0.88
  BOTTOM w30: J8.9@1807.21,-105.42 1807.21,-38.49 J8.10@1846.58,0.88 ; J8.11@2043.43,0.88 2082.8,-38.49 J8.6@2082.8,-105.42
NetP2_1: P2.1 R95.2 | length 141.4
  TOP w4: P2.1@612.44,669.75 648.82,633.37 R95.2@648.82,543.45
NetP3_1: P3.1 R99.2 | length 151.6
  TOP w4: P3.1@409,669.42 397,657.42 397,540.67 R99.2@409.62,528.05
NetP4_1: P4.1 R92.2 | length 125.2
  TOP w4: P4.1@818.44,668.75 824.94,662.25 R92.2@940.92,662.25
NetQ1_1: Q1.1 R116.2 | length 61.1
  TOP w20: R116.2@26.68,416.33 72.04,416.33 Q1.1@83.18,427.47
NetQ2_1: Q2.1 R160.2 | length 195
  BOTTOM w20: R160.2@26.6,415.91 26.6,385.9 40.75,371.75 111.25,371.75 158.02,418.52 Q2.1@158.02,426.89
NetR11_2: R11.2 U3.1 | length 337.7
  TOP w4: U3.1@1192.37,1043.6 1192.37,1057.58 1283.93,1149.14 1283.93,1263.41 1268.75,1278.59 1230.72,1278.59 R11.2@1216.28,1264.15
NetR12_2: R12.2 U3.4 | length 65.8
  TOP w4: R12.2@1015.51,1098.31 1042.37,1071.45 U3.4@1042.37,1043.6
NetR39_2: R39.2 U1.2 | length 62.7
  TOP w4: R39.2@1677.77,1992.45 1691,2005.68 U1.2@1734.99,2005.68
NetR40_1: R40.1 U1.7 | length 147.1
  TOP w4: U1.7@1955.47,2005.68 1967.86,2005.68 2009.79,1963.75 R40.1@2009.79,1888.35
NetR42_2: R42.2 U1.3 | length 57.7
  TOP w4: R42.2@1677.77,1956.85 1678.94,1955.68 U1.3@1734.99,1955.68
NetR44_1: R44.1 U1.6 | length 132.6
  TOP w4: U1.6@1955.47,1955.68 1969.52,1955.68 1993.02,1932.18 1993.02,1870.62 R44.1@2009.79,1853.85
NetR45_1: R45.1 U1.5 | length 120.4
  TOP w4: U1.5@1957.43,1905.68 1957.43,1860.71 R45.1@2010.79,1807.35
NetR68_1: R68.1 SW1.4 | length 69.3
  TOP w15: R68.1@246.04,1534.25 255.94,1524.35 SW1.4@255.94,1469.02
NetR72_1: R72.1 R73.2 SW1.2 | length 104.1
  TOP w15: R73.2@192.05,1409.82 192.5,1410.27 R72.1@192.5,1448.26
  TOP w20: R73.2@192.05,1409.82 194.25,1407.62 206,1407.62 207.6,1406.02 SW1.2@255.94,1406.02
NetR79_2: R79.2 SW2.2 | length 84.3
  TOP w15: SW2.2@254.64,1178.26 260,1172.9 260,1105.29 R79.2@266.45,1098.84
NetR86_1: R86.1 R177.1 R178.2 U3.8 | length 210.1
  TOP w4: U3.8@1192.37,836.91 R86.1@1192.37,786.49 R178.2@1246.5,786.49 1246.5,733.25 R177.1@1209.5,696.25
NetR88_2: R88.2 R89.2 R92.1 R93.1 | length 120.8
  TOP w4: R88.2@941.42,740.25 940.92,739.75 R92.1@940.92,700.84 940.92,700.05 R93.1@981.12,700.05 981.12,739.19 R89.2@981.88,739.95
NetR95_1: R95.1 R96.2 R112.1 R113.2 | length 118.5
  TOP w4: R113.2@608.92,466.45 608.78,466.59 608.78,505.35 648.52,505.35 648.82,505.65 648.82,466.95 R112.1@649.32,466.45
NetR98_2: R98.2 R99.1 R101.1 R114.2 | length 137.9
  TOP w4: R98.2@325.82,528.05 327.44,528.05 365.54,489.95 366.98,489.95 367.28,490.25 409.62,490.25 409.62,452.15 R114.2@409.52,452.05